# KiCad board mechanical-keyboard.kicad_pcb (continued)
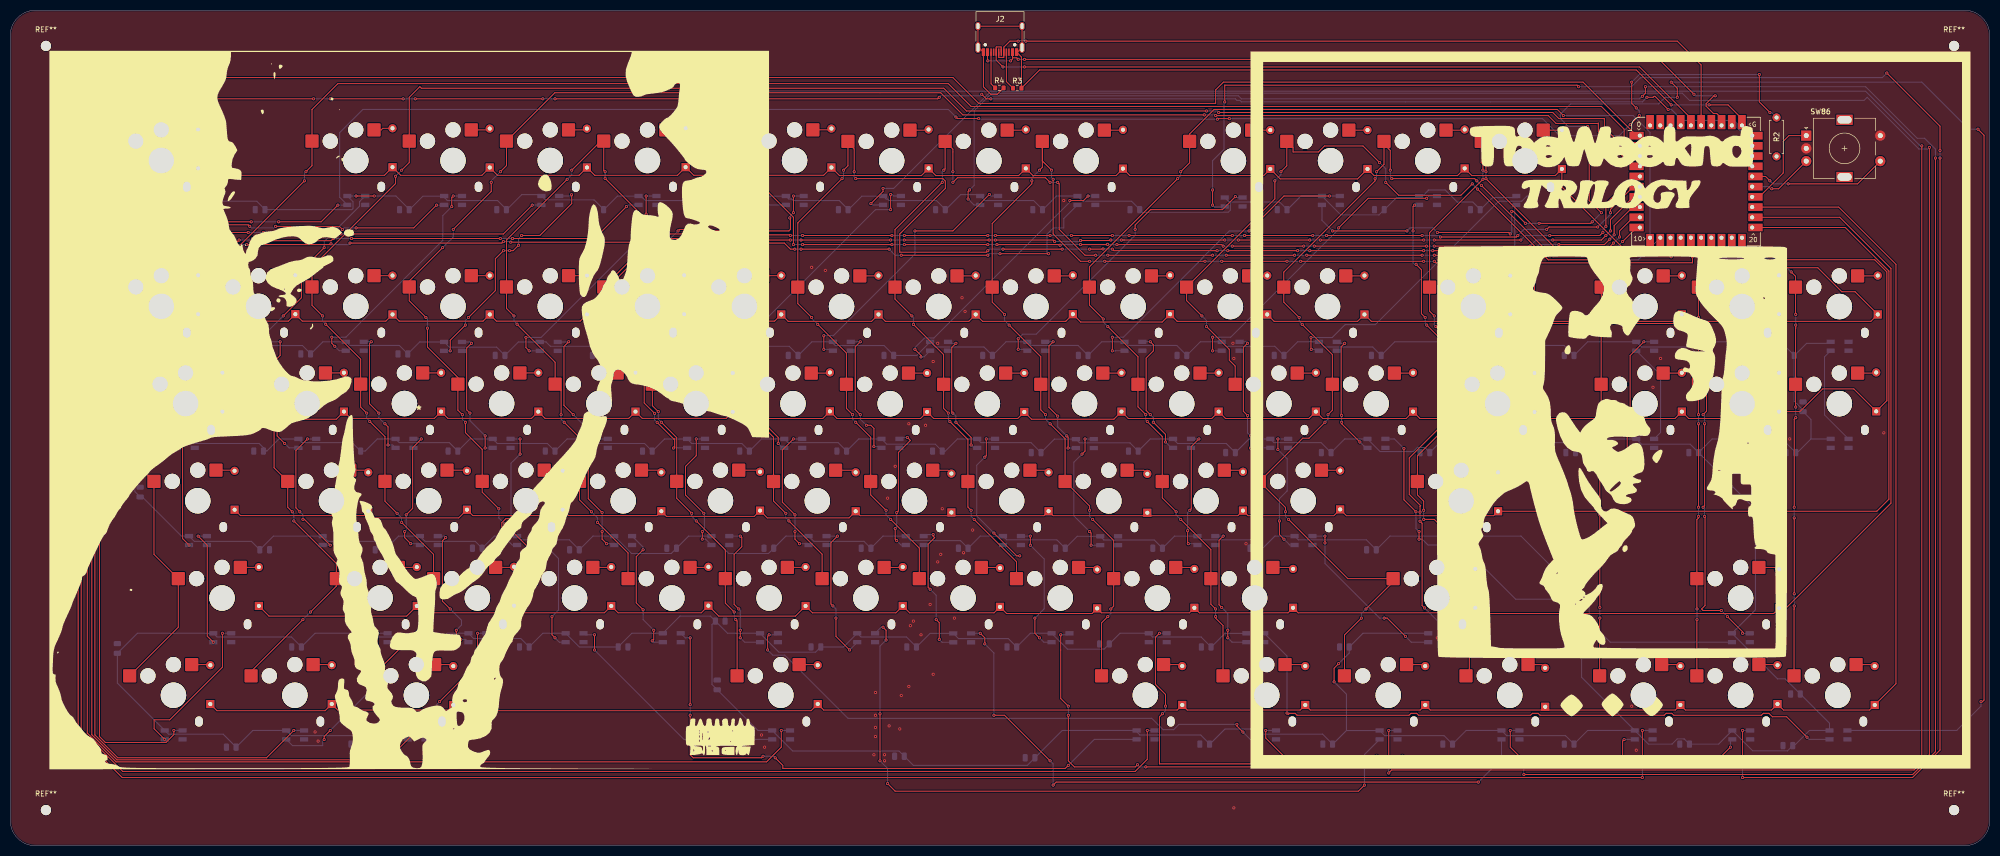
[diagram p0: board, top side]
## Routing (per net, layer and track width the routed paths; a pad name or vN(x,y) marks a point on that pad's centre or on a via; arc(x,y) is an arc through that point) (continued)
  Bottom w0.2: v1(326.58,146.66) 324.2,146.66 322.91,145.36 305.69,145.36 303.67,143.34 303.67,142.5 305.23,140.94 v1(309.03,140.94) ; v1(385.48,140.41) 383.7,140.41 374.48,149.63 v1(325.39,149.63) ; LED84.1 381.32,22.6 386.08,27.36 v1(386.08,28.25) ; LED11.3 256.96,122.56 v1(259.05,120.48) ; v1(294.14,124.31) 294.15,124.31 294.15,120.18 v1(293.85,119.89) ; v1(296.83,121.97) v1(299.51,121.97) ; v1(309.92,122.26) v1(311.7,124.05) ; v1(273.62,120.48) 274.23,121.08 278.68,121.08 v1(279.57,120.19)
Net-(LED11-DOUT): length 61.1
  Top w0.2: v1(258.45,127.32) 249.53,127.32 v1(242.69,120.48) ; v1(215.91,99.65) v1(215.91,96.98)
  Bottom w0.2: v1(242.69,120.48) 238.82,120.48 233.46,115.12 233.46,115.03 218.08,99.65 v1(215.91,99.65) ; LED11.1 v1(258.45,127.32) ; LED24.3 216.54,97.01 216.5,96.98 v1(215.91,96.98)
Net-(LED12-DIN): length 95.2
  Top w0.2: v1(276.18,63.59) 276.59,63.19 276.59,47.09 v1(277.07,46.6) ; v1(274.81,120.48) 274.81,125.24 v1(275.11,125.54) ; v1(277.49,102.03) 281.95,97.57 282.25,97.57 281.21,96.53 281.21,85.23 v1(281.66,84.78) ; v1(276.18,65.38) 276.18,66.51 276.3,66.63 274.07,68.86 274.07,76 v1(281.06,82.99) ; v1(275.41,113.93) 276.45,112.88 276.45,104.26 v1(277.19,103.52)
  Bottom w0.2: v1(275.11,125.54) 275.15,125.57 LED12.3 ; v1(275.41,113.93) 275.11,113.93 274.81,114.23 v1(274.81,120.48) ; v1(277.49,102.03) 277.19,102.33 v1(277.19,103.52) ; LED72.1 281.29,42.38 v1(277.07,46.6) ; v1(281.06,82.99) 281.66,83.59 v1(281.66,84.78) ; v1(276.18,65.38) v1(276.18,63.59)
Net-(LED12-DOUT): length 60
  Top w0.2: v1(260.24,121.08) 266.03,126.87 v1(277.49,126.87) ; v1(235.54,99.65) v1(235.54,96.98)
  Bottom w0.2: v1(235.54,99.65) 239.07,99.65 260.24,120.82 v1(260.24,121.08) ; v1(277.49,126.87) 277.94,127.32 LED12.1 ; LED25.3 237.29,96.98 v1(235.54,96.98)
Net-(LED13-DIN): length 125.6
  Top w0.2: v1(329.85,101.74) 329.25,102.34 299.38,102.34 v1(299.21,102.16) ; v1(331.94,64.55) 332.01,64.47 332.01,47.08 331.34,46.4 331.63,46.11 v1(335.21,46.11) ; v1(331.64,84.48) 332.31,85.16 332.31,99.87 v1(331.34,100.84) ; v1(298.61,103.52) 298.61,110.36 v1(295.64,113.34) ; v1(336.4,44.91) 339.37,41.93 v1(339.37,41.64) ; v1(331.64,66.33) 331.94,66.63 v1(331.94,82.7)
  Bottom w0.2: v1(331.94,64.55) 331.94,66.04 v1(331.64,66.33) ; v1(336.4,44.91) 336.4,44.92 v1(335.21,46.11) ; v1(331.34,100.84) 330.75,100.84 v1(329.85,101.74) ; LED13.3 294.74,125.27 294.74,114.24 v1(295.64,113.34) ; v1(331.64,84.48) 331.94,84.18 v1(331.94,82.7) ; LED73.1 v1(339.37,41.64) ; v1(299.21,102.16) 299.21,102.93 v1(298.61,103.52)
Net-(LED13-DOUT): length 59.2
  Top w0.2: v1(254.88,97.27) 254.82,97.33 v1(254.82,99.59)
  Bottom w0.2: v1(254.82,99.59) 258.99,99.59 261.51,102.11 267.42,102.11 291.6,126.3 296.1,126.3 297.13,127.32 LED13.1 ; v1(254.88,97.27) 256.11,97.27 LED26.3
Net-(LED14-DOUT): length 25.6
  Top w0.2: v1(32.65,77.97) 27.38,83.24 27.38,91.09 29.67,93.39 v1(29.67,98.76)
  Bottom w0.2: LED14.1 v1(29.67,98.76)
Net-(LED15-DIN): length 45
  Top w0.2: v1(53.48,103.82) 57.04,107.39 57.04,112.74 v1(61.51,117.2) ; v1(44.55,98.16) 44.55,99.36 v1(44.85,99.65)
  Bottom w0.2: v1(61.51,117.2) 61.51,118.4 68.44,125.33 68.44,126.22 LED2.1 ; v1(44.85,99.65) 49.31,99.65 v1(53.48,103.82) ; LED15.3 45.7,97.01 v1(44.55,98.16)
Net-(LED15-DOUT): length 27.1
  Top w0.2: v1(52.29,82.99) 52.29,80.31 v1(53.77,78.83) ; v1(52.88,98.76) 52.88,96.08 51.32,94.53 51.32,85.44 v1(51.69,85.08)
  Bottom w0.2: v1(52.29,82.99) 52.29,84.48 v1(51.69,85.08) ; v1(52.88,98.76) LED15.1 ; LED32.3 54.63,77.97 v1(53.77,78.83)
Net-(LED16-DIN): length 45.4
  Top w0.2: v1(86.5,125.24) 86.5,127.02 v1(86.79,127.32) ; v1(62.99,99.65) 62.99,98.46 v1(63.59,97.87)
  Bottom w0.2: v1(86.79,127.32) LED3.1 ; v1(62.99,99.65) 65.75,99.65 84.75,118.65 84.75,123.49 v1(86.5,125.24) ; LED16.3 64.45,97.01 v1(63.59,97.87)
Net-(LED16-DOUT): length 25.1
  Top w0.2: v1(70.73,98.76) 70.38,98.41 70.38,86.62 v1(72.22,84.78) ; v1(74.01,78.53) 74.01,82.09 v1(73.41,82.7)
  Bottom w0.2: LED16.1 v1(70.73,98.76) ; v1(74.01,78.53) 74.93,78.53 LED33.3 ; v1(72.22,84.78) 72.22,83.89 v1(73.41,82.7)
Net-(LED17-DIN): length 47.4
  Top w0.2: v1(89.18,102.03) 86.2,99.06 v1(86.2,96.98) ; v1(99.59,117.67) 98.52,116.61 v1(97.82,116.61) ; v1(100.18,119.59) 103.76,119.59 110,125.83 110,127.53 v1(109.97,127.57) ; v1(96.62,116.61) 95.04,115.02 95.04,108.79 v1(89.77,103.52)
  Bottom w0.2: v1(96.62,116.61) v1(97.82,116.61) ; v1(89.18,102.03) 89.18,102.93 v1(89.77,103.52) ; LED4.1 109.72,127.32 v1(109.97,127.57) ; LED17.3 v1(86.2,96.98) ; v1(100.18,119.59) 99.59,119 v1(99.59,117.67)
Net-(LED17-DOUT): length 25.9
  Top w0.2: v1(90.07,84.78) 89.42,85.42 89.42,97.52 v1(90.37,98.46) ; v1(93.04,80.32) v1(93.04,77.94)
  Bottom w0.2: v1(90.07,84.78) 90.07,83.3 v1(93.04,80.32) ; LED34.3 94.5,77.94 v1(93.04,77.94) ; v1(90.37,98.46) 90.1,98.73 LED17.1
Net-(LED18-DIN): length 46.2
  Top w0.2: v1(124.58,127.32) v1(124.58,123.75) ; v1(101.67,96.98) 101.03,97.61 v1(101.03,99.61)
  Bottom w0.2: v1(101.67,96.98) LED18.3 ; LED5.1 v1(124.58,127.32) ; v1(101.03,99.61) 104.01,99.61 124.58,120.18 v1(124.58,123.75)
Net-(LED18-DOUT): length 26.4
  Top w0.2: v1(110.3,84.48) 108.48,86.3 108.48,97.83 v1(109.41,98.76) ; v1(112.08,80.32) 112.08,77.97 v1(112.11,77.94)
  Bottom w0.2: LED18.1 109.37,98.73 v1(109.41,98.76) ; v1(112.11,77.94) 113.53,77.94 LED35.3 ; v1(112.08,80.32) 112.08,82.7 v1(110.3,84.48)
Net-(LED19-DIN): length 64.6
  Top w0.2: v1(119.82,102.2) 121.37,100.65 v1(121.37,100.31) ; v1(127.85,117.49) 125.16,117.49 118,110.33 118,105.04 v1(119.22,103.82) ; v1(134.4,120.78) 131.12,120.78 v1(130.83,120.48) ; v1(121.6,98.14) 121.6,98.38 v1(120.64,99.34) ; v1(152.71,123.03) 152.84,122.9 152.84,120.78 152.54,120.48 136.48,120.48 v1(136.18,120.78) ; v1(153.44,124.05) v1(153.44,127.32)
  Bottom w0.2: v1(119.22,103.82) 119.82,103.22 v1(119.82,102.2) ; v1(152.71,123.03) 152.71,123.33 v1(153.44,124.05) ; v1(153.44,127.32) LED6.1 ; v1(121.37,100.31) 120.64,99.58 v1(120.64,99.34) ; v1(130.83,120.48) 127.85,117.51 v1(127.85,117.49) ; LED19.3 122.74,97.01 v1(121.6,98.14) ; v1(134.4,120.78) v1(136.18,120.78)
Net-(LED19-DOUT): length 28.2
  Top w0.2: v1(124.88,96.98) v1(124.88,98.76) ; v1(126.73,82.97) 129.98,79.72 130.16,79.72 130.16,78.17 v1(129.93,77.94) ; v1(126.24,84.72) 124.2,86.76 124.2,95.71 v1(124.24,95.74)
  Bottom w0.2: v1(124.88,98.76) LED19.1 ; v1(126.73,82.97) 126.24,83.45 v1(126.24,84.72) ; v1(124.88,96.98) 124.24,96.34 v1(124.24,95.74) ; LED36.3 129.97,77.97 v1(129.93,77.94)
Net-(LED20-DIN): length 51.8
  Top w0.2: v1(172.47,124.64) v1(172.47,127.62) ; v1(140.05,99.36) 140.64,98.76 v1(140.64,97.57)
  Bottom w0.2: LED7.1 173.07,127.32 172.77,127.62 v1(172.47,127.62) ; v1(140.05,99.36) 143.49,102.8 147.66,102.8 169.5,124.64 v1(172.47,124.64) ; v1(140.64,97.57) 141.2,97.01 LED20.3
Net-(LED20-DOUT): length 25.5
  Top w0.2: v1(150.46,78.83) 150.46,80.02 v1(147.49,82.99) ; v1(146.71,84.84) 146.38,85.18 146.38,95.87 147.49,96.98 v1(147.49,98.76)
  Bottom w0.2: LED37.3 151.32,77.97 v1(150.46,78.83) ; v1(147.49,82.99) 147.49,84.07 v1(146.71,84.84) ; v1(147.49,98.76) LED20.1
Net-(LED21-DIN): length 53
  Top w0.2: v1(191.81,127.62) 184.67,120.48 v1(177.24,120.48) ; v1(159.39,99.95) v1(159.39,97.27)
  Bottom w0.2: v1(159.39,99.95) 161.25,99.95 177.24,115.93 v1(177.24,120.48) ; v1(191.81,127.62) 192.11,127.32 LED8.1 ; v1(159.39,97.27) 160.91,97.27 LED21.3
Net-(LED21-DOUT): length 26.4
  Top w0.2: v1(169.2,78.23) 169.2,81.8 168.61,82.4 v1(167.72,82.4) ; v1(166.53,84.48) 165.54,85.47 165.54,97.77 v1(166.53,98.76)
  Bottom w0.2: LED21.1 v1(166.53,98.76) ; v1(167.72,82.4) 166.53,83.59 v1(166.53,84.48) ; LED38.3 170.43,78.23 v1(169.2,78.23)
Net-(LED22-DIN): length 52.4
  Top w0.2: v1(211.15,127.32) 210.26,126.43 v1(207.58,126.43) ; v1(178.43,95.79) 178.43,96.08 v1(177.24,97.27)
  Bottom w0.2: v1(211.15,127.32) LED9.1 ; LED22.3 178.99,95.79 v1(178.43,95.79) ; v1(177.24,97.27) 177.24,97.61 179.11,99.49 180.94,99.49 207.58,126.13 v1(207.58,126.43)
Net-(LED22-DOUT): length 24.9
  Top w0.2: v1(185.27,98.46) 184.45,97.65 184.45,85 v1(184.67,84.78) ; v1(188.24,78.53) 188.24,80.02 v1(185.27,82.99)
  Bottom w0.2: LED22.1 184.01,98.46 v1(185.27,98.46) ; v1(184.67,84.78) 185.27,84.18 v1(185.27,82.99) ; v1(188.24,78.53) 188.8,77.97 LED39.3
Net-(LED23-DOUT): length 25.8
  Top w0.2: v1(206.99,80.32) 207.25,80.05 v1(207.25,77.94) ; v1(205.2,84.19) 203.49,85.9 203.49,97.94 v1(204.31,98.76)
  Bottom w0.2: v1(207.25,77.94) LED40.3 ; v1(205.2,84.19) 205.2,82.1 v1(206.99,80.32) ; LED23.1 v1(204.31,98.76)
Net-(LED24-DOUT): length 25.6
  Top w0.2: v1(223.35,98.76) 223.94,98.17 223.94,96.98 222.53,95.56 222.53,85.3 v1(223.35,84.48) ; v1(226.32,79.12) 226.32,80.61 v1(223.94,82.99)
  Bottom w0.2: LED41.3 227.47,77.97 v1(226.32,79.12) ; v1(223.35,84.48) 223.94,83.89 v1(223.94,82.99) ; v1(223.35,98.76) LED24.1
Net-(LED25-DOUT): length 27
  Top w0.2: v1(242.39,98.47) 241.57,97.65 241.57,85.14 v1(242.39,84.32) ; v1(242.98,80.32) v1(242.98,77.94)
  Bottom w0.2: LED42.3 244.21,77.97 244.17,77.94 v1(242.98,77.94) ; v1(242.39,98.47) 242.09,98.76 LED25.1 ; v1(242.98,80.32) 242.39,80.92 v1(242.39,84.32)
Net-(LED26-DOUT): length 24.8
  Top w0.2: v1(261.43,98.46) 260.73,97.77 260.73,84.42 v1(260.83,84.32) ; v1(260.83,82.99) 260.83,82.69 v1(264.4,79.12)
  Bottom w0.2: LED43.3 265.55,77.97 v1(264.4,79.12) ; v1(260.83,82.99) v1(260.83,84.32) ; v1(261.43,98.46) 260.17,98.46 LED26.1
Net-(LED27-DIN): length 20.7
  Bottom w0.2: LED44.1 288.48,84.43 288.48,93.46 LED27.3
Net-(LED27-DOUT): length 24.9
  Top w0.2: v1(288.2,77.94) 287.9,78.23 v1(287.9,80.32) ; v1(286.71,98.76) 288.23,97.24 288.23,84.83 v1(287.88,84.48)
  Bottom w0.2: v1(287.9,80.32) 287.88,80.34 v1(287.88,84.48) ; LED44.3 289.65,77.94 v1(288.2,77.94) ; LED27.1 v1(286.71,98.76)
Net-(LED28-DIN): length 19.8
  Bottom w0.2: LED45.1 323.31,80.98 323.31,92.25 LED28.3
Net-(LED28-DOUT): length 26.4
  Top w0.2: v1(320.03,98.76) 317.34,96.07 317.34,84.34 v1(317.36,84.32) ; v1(316.76,80.61) v1(316.76,77.64)
  Bottom w0.2: v1(316.76,80.61) 317.36,81.21 v1(317.36,84.32) ; LED45.3 318.21,77.64 v1(316.76,77.64) ; LED28.1 v1(320.03,98.76)
Net-(LED29-DIN): length 19.7
  Bottom w0.2: LED46.1 342.19,80.82 342.19,92.41 LED29.3
Net-(LED29-DOUT): length 25.4
  Top w0.2: v1(336.1,80.32) v1(336.1,77.94) ; v1(339.37,98.76) 336.39,95.77 336.39,84.49 v1(336.4,84.48)
  Bottom w0.2: LED29.1 v1(339.37,98.76) ; v1(336.1,77.94) 337.55,77.94 LED46.3 ; v1(336.4,84.48) 336.1,84.18 v1(336.1,80.32)
Net-(LED30-DIN): length 19.7
  Bottom w0.2: LED47.1 355.43,84.42 355.43,95.81 LED30.3
Net-(LED31-DOUT): length 23.3
  Top w0.2: v1(34.43,79.72) 33.77,79.06 33.77,60.19 v1(35.03,58.93)
  Bottom w0.2: LED31.1 v1(34.43,79.72)
Net-(LED32-DOUT): length 27.9
  Top w0.2: v1(58.23,79.72) 55.97,77.45 55.97,66.22 v1(56.75,65.44) ; v1(62.7,58.9) 57.64,63.95 v1(57.34,63.95)
  Bottom w0.2: v1(62.7,58.9) 62.66,58.93 LED49.3 ; v1(56.75,65.44) 57.34,64.84 v1(57.34,63.95) ; v1(58.23,79.72) LED32.1
Net-(LED33-DOUT): length 26.3
  Top w0.2: v1(78.47,59.19) 77.28,60.38 v1(77.28,61.57) ; v1(77.57,64.85) 78.84,66.12 78.84,78.01 v1(80.55,79.72)
  Bottom w0.2: v1(80.55,79.72) 78.76,79.72 LED33.1 ; v1(77.57,64.85) 77.57,61.87 v1(77.28,61.57) ; v1(78.47,59.19) 79.99,59.19 LED50.3
Net-(LED34-DOUT): length 26.7
  Top w0.2: v1(97.21,60.08) 96.31,60.98 96.31,63.31 97.1,64.1 97.95,64.1 v1(98.1,63.95) ; v1(99.88,76.75) v1(99.88,79.72)
  Bottom w0.2: v1(97.21,60.08) 98.36,58.93 LED51.3 ; v1(99.88,79.72) LED34.1 ; v1(99.88,76.75) 98.1,74.96 v1(98.1,63.95)
Net-(LED35-DOUT): length 26.2
  Top w0.2: v1(115.95,61.57) 115.95,60.09 v1(116.84,59.19) ; v1(115.95,65.3) 113.24,68.01 113.24,77.6 v1(115.36,79.72)
  Bottom w0.2: v1(116.84,59.19) 118.07,59.19 LED52.3 ; LED35.1 v1(115.36,79.72) ; v1(115.95,65.3) v1(115.95,61.57)
Net-(LED36-DOUT): length 26.2
  Top w0.2: v1(135.59,60.08) v1(135.59,61.57) ; v1(135.88,65.15) 132.29,68.74 132.29,74.34 134.4,76.45 v1(134.4,79.72)
  Bottom w0.2: v1(134.4,79.72) LED36.1 ; v1(135.88,65.15) 135.99,65.04 135.99,61.98 v1(135.59,61.57) ; v1(135.59,60.08) 136.22,60.08 LED53.3
Net-(LED37-DOUT): length 26.4
  Top w0.2: v1(153.73,61.57) 153.73,60.09 v1(154.62,59.19) ; v1(153.44,79.72) 151.26,77.54 151.26,67.32 v1(153.73,64.85)
  Bottom w0.2: LED37.1 v1(153.44,79.72) ; v1(154.62,59.19) 156.15,59.19 LED54.3 ; v1(153.73,64.85) v1(153.73,61.57)
Net-(LED38-DOUT): length 25.7
  Top w0.2: v1(173.66,59.79) 173.37,60.09 v1(173.37,62.17) ; v1(175.75,80.02) 176.34,79.42 174,77.08 174,65.61 v1(173.66,65.28)
  Bottom w0.2: LED38.1 174.49,80.02 v1(175.75,80.02) ; v1(173.66,65.28) 173.66,62.47 v1(173.37,62.17) ; LED55.3 174.52,58.93 v1(173.66,59.79)
Net-(LED39-DOUT): length 33.4
  Top w0.2: v1(197.76,56.81) 197.17,56.81 v1(192.71,61.28) ; v1(191.22,79.72) 191.22,76.45 v1(190.92,76.15)
  Bottom w0.2: LED39.1 v1(191.22,79.72) ; v1(197.76,56.81) 196.61,56.81 LED56.3 ; v1(190.92,76.15) 189.34,74.57 189.34,64.65 v1(192.71,61.28)
Net-(LED40-DOUT): length 26.6
  Top w0.2: v1(209.96,76.75) 210.56,77.34 v1(210.56,79.72) ; v1(211.45,61.57) 211.75,61.28 v1(211.75,58.9)
  Bottom w0.2: v1(210.56,79.72) 210.59,79.69 212.27,79.69 ; v1(211.75,58.9) LED57.3 ; v1(211.45,61.57) 208.37,64.65 208.37,75.16 v1(209.96,76.75)
Net-(LED41-DOUT): length 24.9
  Top w0.2: v1(232.87,79.72) 231.36,78.22 231.36,66.02 v1(231.08,65.74) ; v1(230.78,59.19) 230.66,59.32 v1(230.66,61.74)
  Bottom w0.2: LED41.1 v1(232.87,79.72) ; v1(230.66,61.74) 230.66,65.31 v1(231.08,65.74) ; LED58.3 232.31,59.19 v1(230.78,59.19)
Net-(LED42-DOUT): length 26
  Top w0.2: v1(248.64,63.66) 248.64,60.97 v1(249.53,60.08) ; v1(248.34,77.64) v1(248.34,79.72)
  Bottom w0.2: v1(248.64,63.66) 248.64,68.02 250.16,69.54 250.16,75.82 v1(248.34,77.64) ; v1(248.34,79.72) LED42.1 ; v1(249.53,60.08) 250.68,58.93 LED59.3
Net-(LED43-DOUT): length 30.4
  Top w0.2: v1(275.38,65.44) 273.03,67.8 v1(273.03,77.84) ; v1(275.99,61.57) v1(275.99,60.08)
  Bottom w0.2: v1(275.99,60.08) 276.59,60.08 277.75,58.93 LED60.3 ; v1(275.38,65.44) 275.38,62.18 v1(275.99,61.57) ; v1(273.03,77.84) 271.15,79.72 LED43.1
Net-(LED48-DOUT): length 23.7
  Top w0.2: v1(36.81,60.68) 38.6,58.9 38.6,41.08 v1(39.79,39.89)
  Bottom w0.2: LED48.1 v1(36.81,60.68)
Net-(LED49-DOUT): length 25.9
  Top w0.2: v1(68.35,40.45) 68.05,40.75 v1(68.05,42.83) ; v1(67.75,45.81) 65.61,47.95 65.61,59.73 v1(66.56,60.68)
  Bottom w0.2: v1(67.75,45.81) 68.05,45.51 v1(68.05,42.83) ; LED49.1 v1(66.56,60.68) ; LED62.3 68.91,39.89 v1(68.35,40.45)
Net-(LED50-DOUT): length 25.9
  Top w0.2: v1(88.28,40.45) 87.39,41.34 v1(87.39,42.24) ; v1(85.31,60.38) 84.66,59.74 84.66,47.94 v1(86.2,46.4)
  Bottom w0.2: LED63.3 89.21,40.45 v1(88.28,40.45) ; v1(86.2,46.4) 88.41,44.19 88.41,43.26 v1(87.39,42.24) ; LED50.1 85.01,60.68 v1(85.31,60.38)
Net-(LED51-DOUT): length 26
  Top w0.2: v1(106.13,44.91) 106.13,41.34 v1(106.73,40.75) ; v1(104.35,59.35) v1(104.35,60.68)
  Bottom w0.2: v1(104.35,60.68) LED51.1 ; v1(104.35,59.35) 107.41,56.29 107.41,46.19 v1(106.13,44.91) ; v1(106.73,40.75) 107.59,39.89 LED64.3
Net-(LED52-DOUT): length 25.7
  Top w0.2: v1(123.98,58) 122.64,56.66 122.64,47.59 v1(123.98,46.25) ; v1(126.06,42.24) 126.06,40.45 v1(125.77,40.15)
  Bottom w0.2: LED65.3 126.03,39.89 v1(125.77,40.15) ; LED52.1 123.98,58.53 v1(123.98,58) ; v1(123.98,46.25) 123.98,44.32 v1(126.06,42.24)
Net-(LED53-DOUT): length 27.6
  Top w0.2: v1(142.72,46.4) 141.81,47.31 141.81,57.09 143.32,58.6 143.32,60.38 v1(143.02,60.68) ; v1(143.02,40.75) v1(143.02,42.24)
  Bottom w0.2: v1(143.02,60.68) LED53.1 ; v1(142.72,46.4) 143.02,46.1 v1(143.02,42.24) ; v1(143.02,40.75) 143.88,39.89 LED66.3
Net-(LED54-DOUT): length 28.7
  Top w0.2: v1(161.77,44.62) 161.77,41.05 v1(164.44,38.37) ; v1(161.17,47) 160.78,47.39 160.78,59.4 v1(162.06,60.68)
  Bottom w0.2: LED67.3 165.93,39.86 v1(164.44,38.37) ; v1(161.17,47) 161.77,46.4 v1(161.77,44.62) ; v1(162.06,60.68) LED54.1
Net-(LED55-DOUT): length 27
  Top w0.2: v1(180.21,50.27) 179.82,50.66 179.82,59.1 181.1,60.38 180.81,60.68 v1(180.81,60.98) ; v1(181.4,44.32) 182,43.72 v1(182,40.45)
  Bottom w0.2: v1(180.21,50.27) 181.4,49.08 v1(181.4,44.32) ; v1(182,40.45) 182.57,39.87 LED68.3 ; v1(180.81,60.98) 179.25,60.98 LED55.1
Net-(LED56-DOUT): length 26.8
  Top w0.2: v1(200.74,44.62) 200.74,41.64 v1(201.63,40.75) ; v1(199.84,58.9) v1(199.84,60.68)
  Bottom w0.2: v1(199.84,58.9) 202.56,56.18 202.56,46.44 v1(200.74,44.62) ; v1(201.63,40.75) 202.49,39.89 LED69.3 ; v1(199.84,60.68) LED56.1
Net-(LED58-DOUT): length 26.5
  Top w0.2: v1(238.52,42.24) v1(238.52,40.75) ; v1(237.33,46.7) 236.81,47.22 236.81,59.86 v1(237.63,60.68)
  Bottom w0.2: v1(237.33,46.7) 238.52,45.51 v1(238.52,42.24) ; v1(238.52,40.75) 239.38,39.89 LED71.3 ; LED58.1 v1(237.63,60.68)
Net-(LED59-DOUT): length 34.4
  Top w0.2: v1(269.16,44.62) 269.75,44.62 v1(273.33,41.04) ; v1(257.56,59.35) v1(257.56,60.68)
  Bottom w0.2: LED72.3 274.48,39.89 v1(273.33,41.04) ; v1(257.56,59.35) 257.56,55.33 268.27,44.62 v1(269.16,44.62) ; v1(257.56,60.68) LED59.1
Net-(LED60-DOUT): length 61.8
  Bottom w0.2: LED60.1 295.96,60.68 309.32,47.32 309.32,44.02 313.45,39.89 LED73.3
Net-(LED61-DOUT): length 30.7
  Top w0.2: v1(41.57,41.64) 41.57,35 31.26,24.68 28.19,24.68 28.19,22.93 v1(30.27,20.85)
  Bottom w0.2: LED61.1 v1(41.57,41.64)
Net-(LED62-DOUT): length 36.1
  Top w0.2: v1(61.51,20.81) 61.51,21.41 v1(62.7,22.6) ; v1(71.92,38.96) v1(71.92,41.64)
  Bottom w0.2: v1(61.51,20.81) 61.21,20.52 61.21,19.62 55.29,19.62 LED75.3 ; v1(62.7,22.6) 71.92,31.82 v1(71.92,38.96) ; v1(71.92,41.64) LED62.1
Net-(LED63-DOUT): length 28.2
  Top w0.2: v1(91.56,41.64) 91.56,35.69 v1(84.12,28.25)
  Bottom w0.2: LED63.1 v1(91.56,41.64) ; LED76.3 79.05,22.03 79.05,23.19 v1(84.12,28.25)
Net-(LED64-DOUT): length 47.3
  Top w0.2: v1(114.46,38.36) v1(114.46,41.34)
  Bottom w0.2: v1(114.46,38.36) 131.97,20.85 LED77.3 ; LED64.1 112.61,41.34 v1(114.46,41.34)
Net-(LED65-DOUT): length 116.7
  Top w0.2: v1(133.21,40.75) v1(133.21,27.66) ; v1(207.28,15.76) 206.69,15.16 151.35,15.16 151.35,15.76 v1(149.87,17.25) ; v1(147.49,17.54) 147.19,17.25 133.8,17.25 133.21,17.84 v1(133.21,25.58)
  Bottom w0.2: v1(147.49,17.54) 149.57,17.54 v1(149.87,17.25) ; LED65.1 132.24,40.75 v1(133.21,40.75) ; v1(207.28,15.76) 212.38,20.85 LED78.3 ; v1(133.21,27.66) v1(133.21,25.58)
Net-(LED66-DOUT): length 109.4
  Top w0.2: v1(240.3,23.79) 240.3,23.47 v1(241.5,22.28) ; v1(148.68,41.34) 148.38,41.05 v1(148.38,38.37)
  Bottom w0.2: v1(241.5,22.28) 242.96,20.81 244.44,20.81 LED79.3 ; LED66.1 150.09,41.34 v1(148.68,41.34) ; v1(240.3,23.79) 228.97,23.79 227.93,22.75 225.84,22.75 223.62,24.97 164.12,24.97 151.74,37.35 149.39,37.35 v1(148.38,38.37)
Net-(LED67-DOUT): length 138.8
  Top w0.2: v1(171.88,12.19) 173.37,10.7 264.11,10.7 v1(265.29,11.89) ; v1(171.58,40.31) 171.58,42.24 v1(170.99,42.83) ; v1(170.39,16.65) v1(170.39,25.87)
  Bottom w0.2: v1(170.39,25.87) 170.39,39.12 v1(171.58,40.31) ; v1(265.29,11.89) 265.29,17.88 LED80.3 ; v1(170.99,42.83) 170.62,42.83 LED67.1 ; v1(171.88,12.19) 171.88,15.16 v1(170.39,16.65)
Net-(LED68-DOUT): length 132.5
  Top w0.2: v1(190.92,39.56) 190.92,40.75 v1(190.03,41.64) ; v1(192.71,25.58) 194.79,25.58 v1(203.71,16.65) ; v1(204.31,11.89) 204.9,12.49 v1(287.61,12.49)
  Bottom w0.2: v1(287.61,12.49) 292.14,17.02 LED81.3 ; LED68.1 188.26,41.64 v1(190.03,41.64) ; v1(204.31,11.89) 204.31,16.06 v1(203.71,16.65) ; v1(192.71,25.58) 192.71,37.77 v1(190.92,39.56)
Net-(LED69-DOUT): length 145.6
  Top w0.2: v1(220.84,15.88) 220.42,15.46 208.47,15.46 207.28,16.65 v1(207.28,25.58) ; v1(249.83,15.76) 249.53,15.46 v1(222.46,15.46) ; v1(267.97,16.65) 267.38,16.06 251.86,16.06 v1(251.44,16.48) ; v1(205.8,41.34) 205.8,28.85 v1(207.28,27.36) ; v1(316.17,20.81) 315.87,20.52 315.87,16.06 297.72,16.06 v1(297.42,16.35) ; v1(271.84,16.65) 272.44,16.06 295.04,16.06 v1(295.34,16.35)
  Bottom w0.2: v1(207.28,25.58) v1(207.28,27.36) ; LED69.1 207.21,41.34 v1(205.8,41.34) ; v1(249.83,15.76) 250.55,16.48 v1(251.44,16.48) ; v1(267.97,16.65) 269.16,16.65 269.46,16.95 270.35,16.95 270.65,16.65 v1(271.84,16.65) ; v1(220.84,15.88) 221.27,15.46 v1(222.46,15.46) ; LED82.3 316.2,20.85 v1(316.17,20.81) ; v1(297.42,16.35) 296.82,16.95 295.94,16.95 v1(295.34,16.35)
Net-(LED70-DOUT): length 145.4
  Top w0.2: v1(225.13,41.64) 224.34,40.85 224.34,31.63 226.32,29.65 v1(226.32,27.36) ; v1(320.34,16.95) 321.23,16.06 333.72,16.06 v1(336.99,19.33) ; v1(225.73,25.87) 225.13,25.28 225.13,16.06 249.23,16.06 249.68,16.5 v1(249.68,16.54) ; v1(252.21,16.95) 267.08,16.95 v1(267.67,17.54) ; v1(294.98,17.07) 294.86,16.95 273.33,16.95 v1(272.73,17.54) ; v1(298.14,16.71) 298.38,16.95 v1(315.27,16.95)
  Bottom w0.2: LED70.1 v1(225.13,41.64) ; v1(298.14,16.71) 297.5,17.35 295.27,17.35 v1(294.98,17.07) ; v1(320.34,16.95) 320.33,16.95 315.28,16.95 v1(315.27,16.95) ; LED83.3 336.99,20.48 v1(336.99,19.33) ; v1(252.21,16.95) 252.07,17.08 250.21,17.08 v1(249.68,16.54) ; v1(226.32,27.36) 226.32,26.47 v1(225.73,25.87) ; v1(272.73,17.54) v1(267.67,17.54)
Net-(LED71-DOUT): length 127.3
  Top w0.2: v1(250.12,26) 250.39,25.74 250.6,25.95 251.72,25.95 252.1,25.58 274.02,25.58 274.4,25.95 275.52,25.95 275.9,25.58 297.82,25.58 298.2,25.95 299.32,25.95 299.7,25.58 324.01,25.58 324.39,25.95 325.51,25.95 325.89,25.58 343.05,25.58 343.43,25.95 344.55,25.95 345.23,25.28 348,25.28 v1(351.99,21.28)
  Bottom w0.2: v1(351.99,21.28) 352.43,20.85 LED84.3 ; v1(250.12,26) 250.12,37.18 LED71.1
Net-(LED82-DOUT): length 621.7
  Top w0.2: v1(96.61,118.39) 96.32,118.1 v1(66.56,118.1) ; v1(174.56,115.71) 191.51,115.71 v1(191.52,115.72) ; v1(153.69,116.91) 152.84,116.91 151.65,118.1 v1(135.88,118.1) ; v1(124.28,118.4) 124.16,118.27 v1(98.04,118.27) ; v1(319.74,13.37) 21.95,13.37 13.31,22.01 v1(13.31,116.31) ; v1(46.34,117.8) 62.68,117.8 v1(62.84,117.96) ; v1(25.74,116.17) 25.3,116.61 v1(23.13,116.61) ; v1(125.77,118.09) 134.39,118.09 v1(134.4,118.1) ; v1(193.9,116.02) v1(203.41,116.02) ; v1(28.48,117.8) v1(43.96,117.8) ; v1(154.92,116.91) v1(172.18,116.91) ; v1(319.74,22.6) v1(319.74,16.35)
  Bottom w0.2: v1(25.74,116.17) 26.86,116.17 v1(28.48,117.8) ; v1(124.28,118.4) 125.47,118.4 v1(125.77,118.09) ; v1(191.52,115.72) 191.81,116.02 v1(193.9,116.02) ; v1(23.13,116.61) 22.84,116.31 v1(13.31,116.31) ; v1(98.04,118.27) 97.92,118.39 v1(96.61,118.39) ; v1(203.41,116.02) 203.11,116.32 203.11,119.83 204.35,121.07 206.39,121.07 206.39,122.89 LED9.3 ; v1(134.4,118.1) v1(135.88,118.1) ; v1(153.69,116.91) v1(154.92,116.91) ; v1(66.56,118.1) 66.27,117.8 63,117.8 v1(62.84,117.96) ; v1(172.18,116.91) 173.37,115.71 v1(174.56,115.71) ; LED82.1 v1(319.74,22.6) ; v1(43.96,117.8) 46.33,117.8 v1(46.34,117.8) ; v1(319.74,16.35) v1(319.74,13.37)
Net-(U2-5V): length 156.5
  Top w0.2: v1(334.02,146.96) 333.76,146.96 332.23,145.42 332.23,144.92 333.65,143.5 334.3,143.5 335.25,142.55 U2.33 ; v1(195.98,153.8) 196.35,154.17 196.35,154.39 ; J2.A9 191.45,153.86 v1(191.52,153.8) ; 196.35,154.39 197.17,154.39 v1(197.47,154.1) ; 196.35,154.39 J2.A4 ; v1(329.85,147.25) 323.01,154.1 v1(198.7,154.1)
  Bottom w0.2: v1(334.02,146.96) 330.15,146.96 v1(329.85,147.25) ; v1(191.52,153.8) v1(195.98,153.8) ; v1(197.47,154.1) v1(198.7,154.1)
Net-(U2-GPIO29): length 330.7
  Top w0.2: v1(27.89,146.66) 18.37,146.66 v1(17.77,147.25) ; v1(182,146.66) 181.7,146.36 v1(106.73,146.36) ; v1(104.35,146.36) v1(79.36,146.36) ; v1(320.63,146.66) 321.82,146.66 322.01,146.85 322.22,146.85 v1(324.79,144.28) ; v1(76.98,146.36) v1(62.7,146.36) ; v1(192.11,146.36) 192.11,146.36 191.22,146.36 v1(190.33,147.25) ; v1(59.43,146.36) v1(31.46,146.36)
  Bottom w0.2: v1(17.77,147.25) 16.01,147.25 R1.2 ; v1(79.36,146.36) v1(76.98,146.36) ; v1(320.63,146.66) 319.74,145.77 241.2,145.77 240.9,146.06 240.3,146.06 240.01,146.36 240,146.36 v1(192.11,146.36) ; v1(324.79,144.28) 325.43,144.28 327.59,142.12 337.7,142.12 338.27,141.55 338.27,140.74 339.87,139.15 U2.30 ; v1(190.33,147.25) 190.03,146.96 182.29,146.96 v1(182,146.66) ; v1(27.89,146.66) 28.19,146.36 v1(31.46,146.36) ; v1(106.73,146.36) v1(104.35,146.36) ; v1(62.7,146.36) v1(59.43,146.36)
Net-(U2-USB_D+): length 146.1
  Top w0.2: U2.36 329.25,142.55 319.19,152.61 v1(198.7,152.61) ; v1(194.49,152.61) 193.15,153.95 J2.B6 193.15,156.48 193.2,156.53 194.1,156.53 194.15,156.48 J2.A6
  Bottom w0.2: v1(194.49,152.61) v1(198.7,152.61)
Net-(U2-USB_D-): length 154.3
  Top w0.2: v1(197.47,157.67) 195.83,157.67 194.65,156.48 J2.B7 194.65,154.53 194.6,154.48 193.7,154.48 193.65,154.53 J2.A7 ; v1(198.95,157.67) 326.58,157.67 331.25,153 U2.35
  Bottom w0.2: v1(197.47,157.67) 197.57,157.77 198.85,157.77 v1(198.95,157.67)

## Copper pours and planes (outline as drawn; the poured copper is in the pictures)
GND on Top, Bottom: 390.25,161.83 390.54,-9.83 -1.56,-5.36 -2.46,167.78 387.57,167.48
